# Altium PCB robot.PcbDoc (part 3 of 13)
Units mm, origin at the board's own origin, x right, y up, seen from the top; angles counter-clockwise.
Board outline 97 x 68 mm, 2 copper layers (Top Layer, Bottom Layer); 163 components, 156 nets, 23258 pads, 60 vias.
Unrouted connection lines stored in the file: 298.
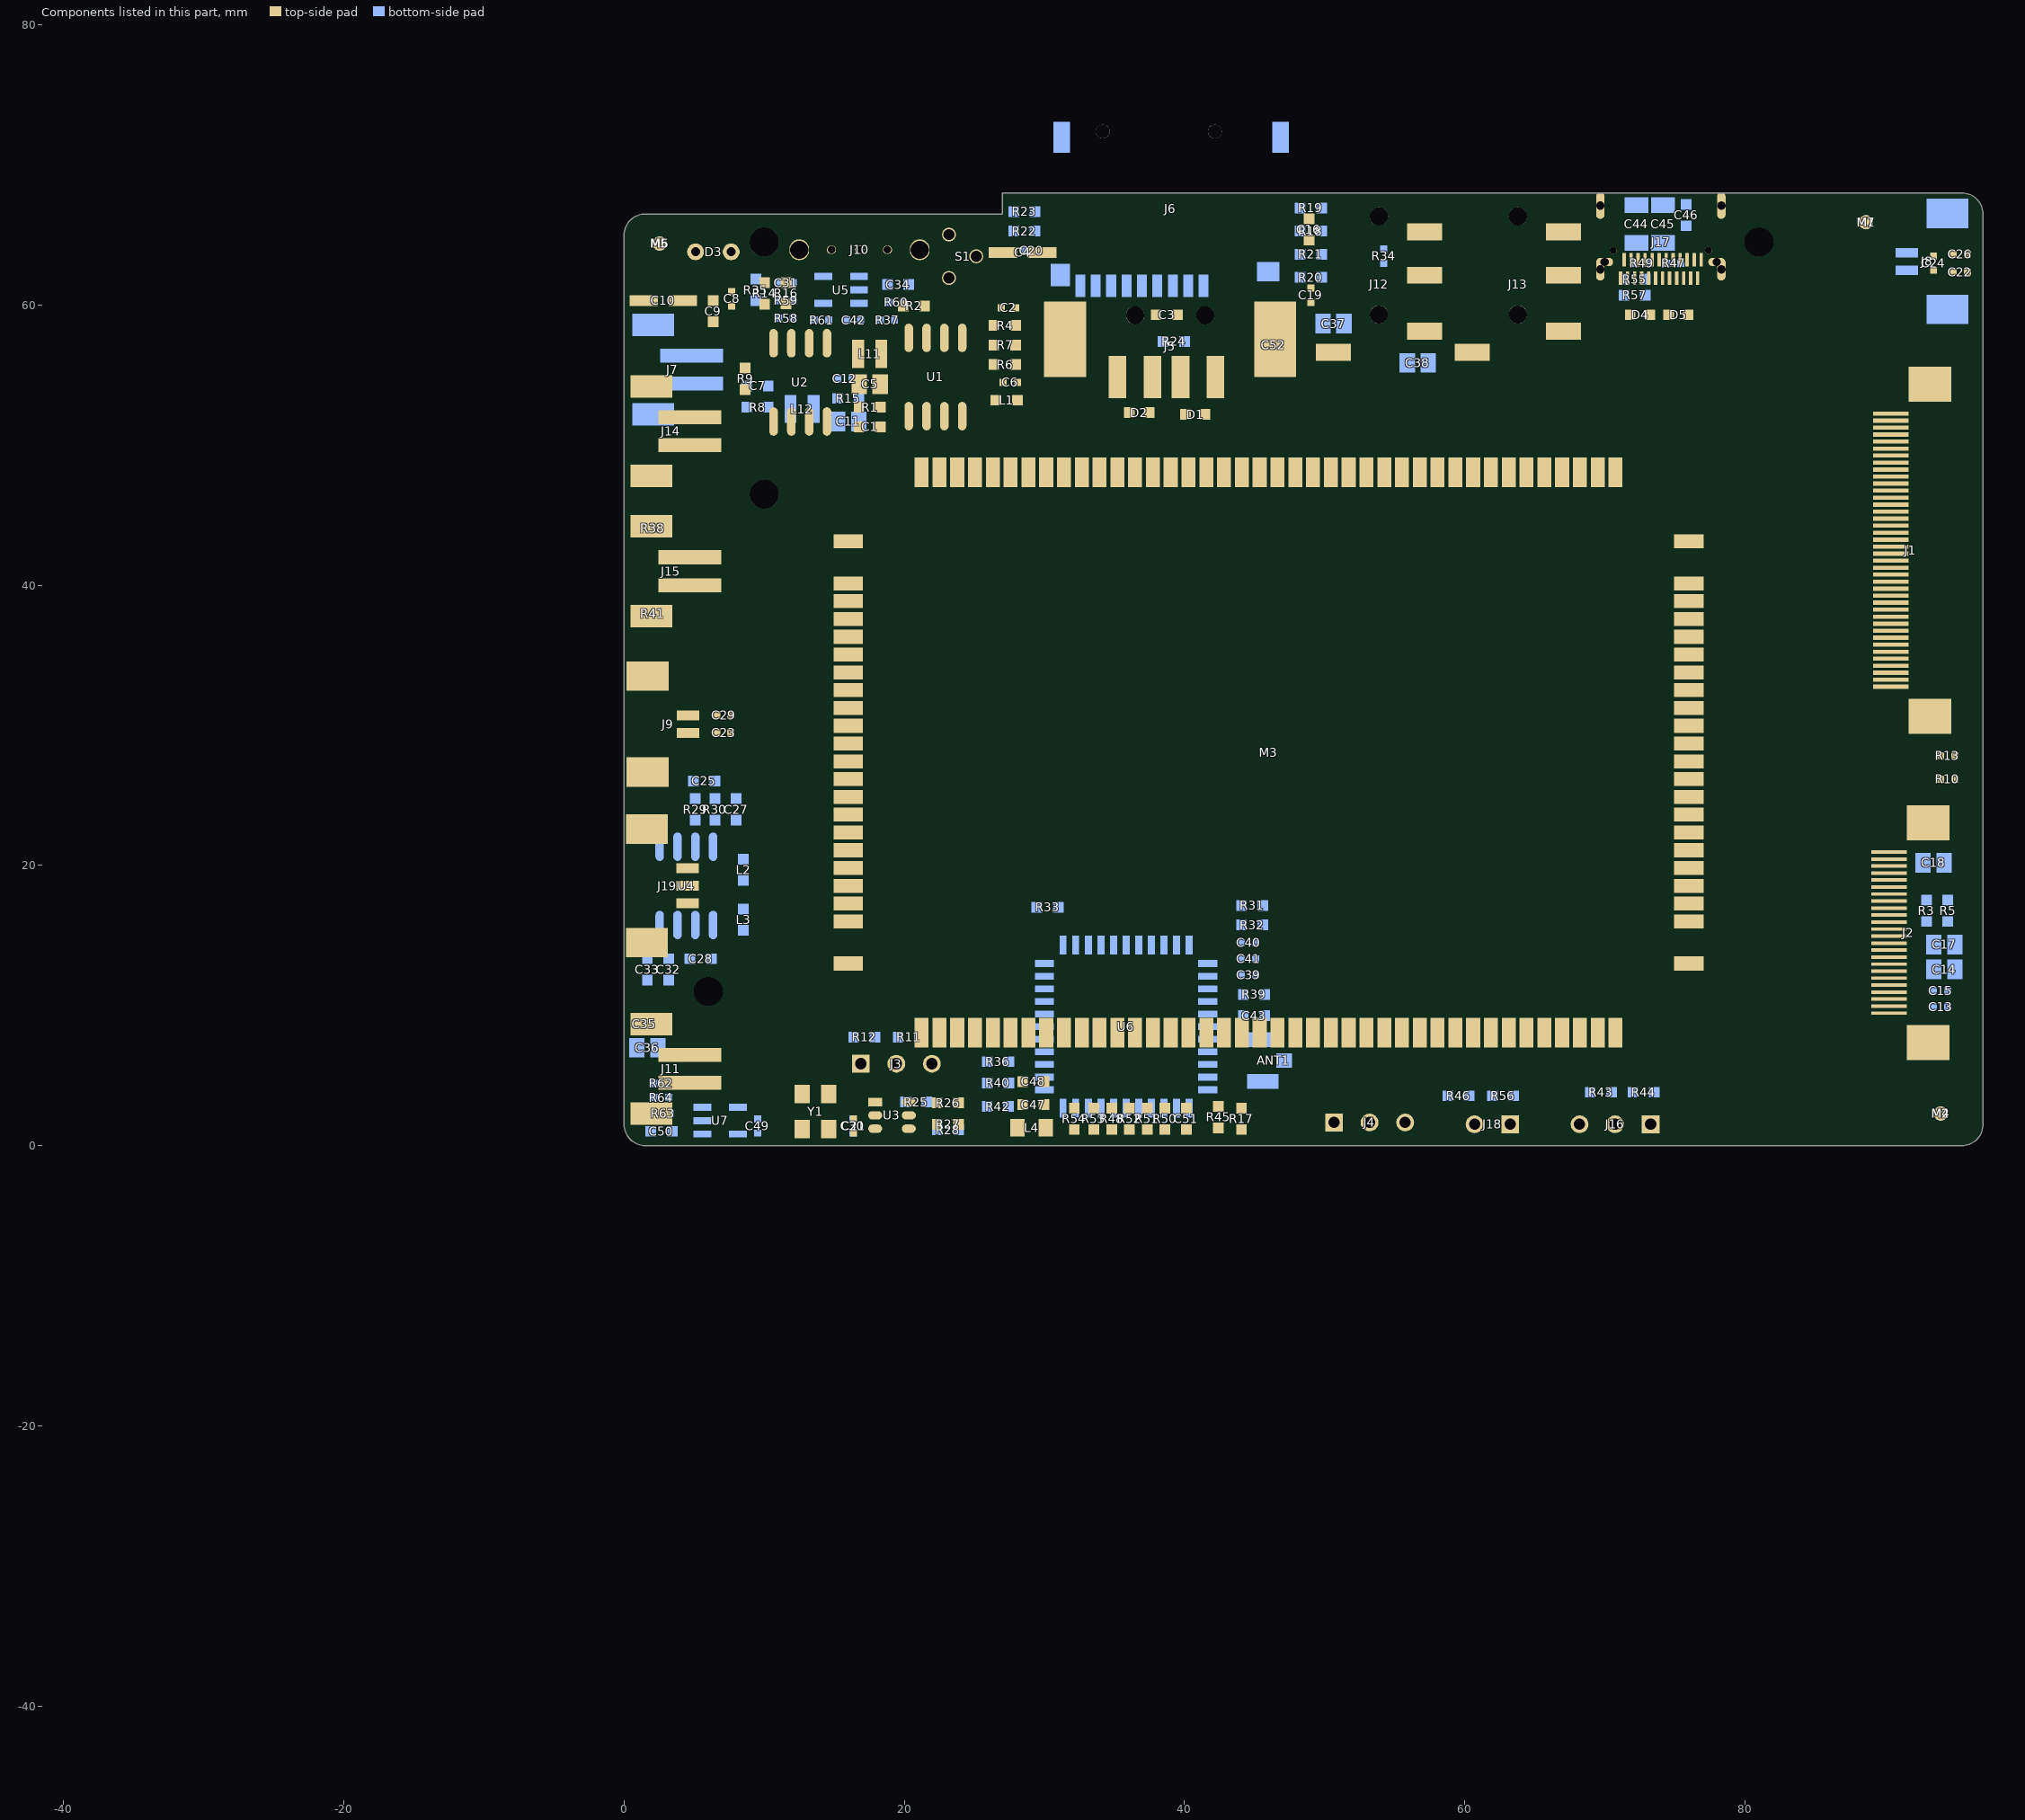
[diagram p3: the components of this part, seen from the top]

## Free pads (board coordinates) (continued)
  round 0 on Mech8: 1(-39.014,-44.133) 1(-39.014,-44.133) 1(-39.014,-44.133) 1(-39.014,-44.133) 1(-39.014,-44.133) 1(-39.014,-44.133) 1(-39.014,-44.131) 1(-39.014,-44.131) 1(-39.014,-44.131) 1(-39.013,-44.112) 1(-39.013,-44.112) 1(-39.013,-44.112) 1(-39.013,-44.112) 1(-39.013,-44.112) 1(-39.013,-44.112) 1(-39.013,-44.111) 1(-39.013,-44.111) 1(-39.013,-44.111) 1(-39.013,-44.11) 1(-39.013,-44.11) 1(-39.013,-44.11) 1(-39.013,-44.109) 1(-39.013,-44.109) 1(-39.013,-44.109) 1(-39.013,-44.109) 1(-39.013,-44.109) 1(-39.013,-44.109) 1(-39.013,-44.138) 1(-39.013,-44.138) 1(-39.013,-44.138) 1(-39.013,-44.138) 1(-39.013,-44.138) 1(-39.013,-44.138) 1(-39.013,-44.137) 1(-39.013,-44.137) 1(-39.013,-44.137) 1(-39.013,-44.137) 1(-39.013,-44.137) 1(-39.013,-44.137) 1(-39.013,-44.142) 1(-39.013,-44.142) 1(-39.013,-44.142) 1(-39.013,-44.142) 1(-39.013,-44.142) 1(-39.013,-44.142) 1(-39.013,-44.14) 1(-39.013,-44.14) 1(-39.013,-44.14) 1(-39.013,-44.14) 1(-39.013,-44.14) 1(-39.013,-44.14) 1(-39.012,-44.134) 1(-39.012,-44.134) 1(-39.012,-44.134) 1(-39.012,-44.134) 1(-39.012,-44.134) 1(-39.012,-44.134) 1(-39.012,-44.133) 1(-39.012,-44.133) 1(-39.012,-44.133) 1(-39.012,-44.133) 1(-39.012,-44.133) 1(-39.012,-44.133) 1(-39.012,-44.133) 1(-39.012,-44.133) 1(-39.012,-44.133) 1(-39.012,-44.133) 1(-39.012,-44.133) 1(-39.012,-44.133) 1(-39.012,-44.131) 1(-39.012,-44.131) 1(-39.012,-44.131) 1(-39.012,-44.131) 1(-39.012,-44.131) 1(-39.012,-44.131) 1(-39.003,-44.124) 1(-39.003,-44.124) 1(-39.003,-44.124) 1(-39.003,-44.124) 1(-39.003,-44.124) 1(-39.003,-44.124) 1(-39.003,-44.123) 1(-39.003,-44.123) 1(-39.003,-44.123) 1(-39.003,-44.123) 1(-39.003,-44.123) 1(-39.003,-44.123) 1(-39.003,-44.122) 1(-39.003,-44.122) 1(-39.003,-44.122) 1(-39.003,-44.122) 1(-39.003,-44.122) 1(-39.003,-44.122) 1(-39.003,-44.121) 1(-39.003,-44.121) 1(-39.003,-44.121) 1(-39.003,-44.121) 1(-39.003,-44.121) 1(-39.003,-44.121) 1(-39.003,-44.12) 1(-39.003,-44.12) 1(-39.003,-44.12) 1(-39.003,-44.12) 1(-39.003,-44.12) 1(-39.003,-44.12) 1(-39.003,-44.119) 1(-39.003,-44.119) 1(-39.003,-44.119) 1(-39.003,-44.119) 1(-39.003,-44.119) 1(-39.003,-44.119) 1(-39.003,-44.118) 1(-39.003,-44.118) 1(-39.003,-44.118) 1(-39.003,-44.118) 1(-39.003,-44.118) 1(-39.003,-44.118) 1(-39.003,-44.117) 1(-39.003,-44.117) 1(-39.003,-44.117) 1(-39.003,-44.117) 1(-39.003,-44.117) 1(-39.003,-44.117) 1(-39.003,-44.116) 1(-39.003,-44.116) 1(-39.003,-44.116) 1(-39.003,-44.116) 1(-39.003,-44.116) 1(-39.003,-44.116) 1(-39.003,-44.115) 1(-39.003,-44.115) 1(-39.003,-44.115) 1(-39.003,-44.115) 1(-39.003,-44.115) 1(-39.003,-44.115) 1(-39.003,-44.114) 1(-39.003,-44.114) 1(-39.003,-44.114) 1(-39.003,-44.114) 1(-39.003,-44.114) 1(-39.003,-44.114) 1(-39.003,-44.113) 1(-39.003,-44.113) 1(-39.003,-44.113) 1(-39.003,-44.113) 1(-39.003,-44.113) 1(-39.003,-44.113) 1(-39.002,-44.124) 1(-39.002,-44.124) 1(-39.002,-44.124) 1(-39.002,-44.124) 1(-39.002,-44.124) 1(-39.002,-44.124) 1(-39.002,-44.123) 1(-39.002,-44.123) 1(-39.002,-44.123) 1(-39.002,-44.123) 1(-39.002,-44.123) 1(-39.002,-44.123) 1(-39.002,-44.122) 1(-39.002,-44.122) 1(-39.002,-44.122) 1(-39.002,-44.122) 1(-39.002,-44.122) 1(-39.002,-44.122) 1(-39.002,-44.121) 1(-39.002,-44.121) 1(-39.002,-44.121) 1(-39.002,-44.121) 1(-39.002,-44.121) 1(-39.002,-44.121) 1(-39.002,-44.12) 1(-39.002,-44.12) 1(-39.002,-44.12) 1(-39.002,-44.12) 1(-39.002,-44.12) 1(-39.002,-44.12) 1(-39.002,-44.119) 1(-39.002,-44.119) 1(-39.002,-44.119) 1(-39.002,-44.119) 1(-39.002,-44.119) 1(-39.002,-44.119) 1(-39.002,-44.118) 1(-39.002,-44.118) 1(-39.002,-44.118) 1(-39.002,-44.118) 1(-39.002,-44.118) 1(-39.002,-44.118) 1(-39.002,-44.117) 1(-39.002,-44.117) 1(-39.002,-44.117) 1(-39.002,-44.117) 1(-39.002,-44.117) 1(-39.002,-44.117) 1(-39.002,-44.116) 1(-39.002,-44.116) 1(-39.002,-44.116) 1(-39.002,-44.116) 1(-39.002,-44.116) 1(-39.002,-44.116) 1(-39.002,-44.115) 1(-39.002,-44.115) 1(-39.002,-44.115) 1(-39.002,-44.115) 1(-39.002,-44.115) 1(-39.002,-44.115) 1(-39.002,-44.114) 1(-39.002,-44.114) 1(-39.002,-44.114) 1(-39.002,-44.114) 1(-39.002,-44.114) 1(-39.002,-44.114) 1(-39.002,-44.113) 1(-39.002,-44.113) 1(-39.002,-44.113) 1(-39.002,-44.113) 1(-39.002,-44.113) 1(-39.002,-44.113) 1(-39.001,-44.132) 1(-39.001,-44.132) 1(-39.001,-44.132) 1(-39.001,-44.13) 1(-39.001,-44.13) 1(-39.001,-44.13) 1(-39.001,-44.143) 1(-39.001,-44.143) 1(-39.001,-44.143) 1(-39.001,-44.143) 1(-39.001,-44.143) 1(-39.001,-44.143) 1(-39.001,-44.142) 1(-39.001,-44.142) 1(-39.001,-44.142) 1(-39.001,-44.142) 1(-39.001,-44.142) 1(-39.001,-44.142) 1(-39.001,-44.141) 1(-39.001,-44.141) 1(-39.001,-44.141) 1(-39.001,-44.141) 1(-39.001,-44.141) 1(-39.001,-44.141) 1(-39.001,-44.14) 1(-39.001,-44.14) 1(-39.001,-44.14) 1(-39.001,-44.14) 1(-39.001,-44.14) 1(-39.001,-44.14) 1(-39.001,-44.139) 1(-39.001,-44.139) 1(-39.001,-44.139) 1(-39.001,-44.139) 1(-39.001,-44.139) 1(-39.001,-44.139) 1(-39.001,-44.138) 1(-39.001,-44.138) 1(-39.001,-44.138) 1(-39.001,-44.138) 1(-39.001,-44.138) 1(-39.001,-44.138) 1(-39.001,-44.138) 1(-39.001,-44.138) 1(-39.001,-44.138) 1(-39.001,-44.138) 1(-39.001,-44.138) 1(-39.001,-44.138) 1(-39.001,-44.137) 1(-39.001,-44.137) 1(-39.001,-44.137) 1(-39.001,-44.137) 1(-39.001,-44.137) 1(-39.001,-44.137) 1(-39.001,-44.136) 1(-39.001,-44.136) 1(-39.001,-44.136) 1(-39.001,-44.136) 1(-39.001,-44.136) 1(-39.001,-44.136) 1(-39.001,-44.135) 1(-39.001,-44.135) 1(-39.001,-44.135) 1(-39.001,-44.135) 1(-39.001,-44.135) 1(-39.001,-44.135) 1(-39.001,-44.135) 1(-39.001,-44.135) 1(-39.001,-44.135) 1(-39.001,-44.135) 1(-39.001,-44.135) 1(-39.001,-44.135) 1(-39.001,-44.134) 1(-39.001,-44.134) 1(-39.001,-44.134) 1(-39.001,-44.134) 1(-39.001,-44.134) 1(-39.001,-44.134) 1(-39.001,-44.133) 1(-39.001,-44.133) 1(-39.001,-44.133) 1(-39.001,-44.133) 1(-39.001,-44.133) 1(-39.001,-44.133) 1(-39.001,-44.132) 1(-39.001,-44.132) 1(-39.001,-44.132) 1(-39.001,-44.132) 1(-39.001,-44.132) 1(-39.001,-44.132) 1(-39,-44.132) 1(-39,-44.132) 1(-39,-44.132) 1(-39,-44.132) 1(-39,-44.132) 1(-39,-44.132) 1(-39,-44.13) 1(-39,-44.13) 1(-39,-44.13) 1(-39,-44.13) 1(-39,-44.13) 1(-39,-44.13) 1(-39,-44.143) 1(-39,-44.143) 1(-39,-44.143) 1(-39,-44.142) 1(-39,-44.142) 1(-39,-44.142) 1(-39,-44.141) 1(-39,-44.141) 1(-39,-44.141) 1(-39,-44.14) 1(-39,-44.14) 1(-39,-44.14) 1(-39,-44.139) 1(-39,-44.139) 1(-39,-44.139) 1(-39,-44.138) 1(-39,-44.138) 1(-39,-44.138) 1(-39,-44.138) 1(-39,-44.138) 1(-39,-44.138) 1(-39,-44.137) 1(-39,-44.137) 1(-39,-44.137) 1(-39,-44.136) 1(-39,-44.136) 1(-39,-44.136) 1(-39,-44.135) 1(-39,-44.135) 1(-39,-44.135) 1(-39,-44.135) 1(-39,-44.135) 1(-39,-44.135) 1(-39,-44.134) 1(-39,-44.134) 1(-39,-44.134) 1(-39,-44.133) 1(-39,-44.133) 1(-39,-44.133) 1(-39,-44.132) 1(-39,-44.132) 1(-39,-44.132) 1(-38.999,-44.105) 1(-38.999,-44.105) 1(-38.999,-44.105) 1(-38.999,-44.105) 1(-38.999,-44.105) 1(-38.999,-44.105) 1(-38.999,-44.104) 1(-38.999,-44.104) 1(-38.999,-44.104) 1(-38.999,-44.103) 1(-38.999,-44.103) 1(-38.999,-44.103) 1(-38.999,-44.102) 1(-38.999,-44.102) 1(-38.999,-44.102) 1(-38.999,-44.102) 1(-38.999,-44.102) 1(-38.999,-44.102) 1(-38.999,-44.115) 1(-38.999,-44.115) 1(-38.999,-44.115) 1(-38.999,-44.115) 1(-38.999,-44.115) 1(-38.999,-44.115) 1(-38.999,-44.114) 1(-38.999,-44.114) 1(-38.999,-44.114) 1(-38.999,-44.114) 1(-38.999,-44.114) 1(-38.999,-44.114) 1(-38.999,-44.113) 1(-38.999,-44.113) 1(-38.999,-44.113) 1(-38.999,-44.113) 1(-38.999,-44.113) 1(-38.999,-44.113) 1(-38.999,-44.143) 1(-38.999,-44.143) 1(-38.999,-44.143) 1(-38.999,-44.142) 1(-38.999,-44.142) 1(-38.999,-44.142) 1(-38.999,-44.141) 1(-38.999,-44.141) 1(-38.999,-44.141) 1(-38.999,-44.14) 1(-38.999,-44.14) 1(-38.999,-44.14) 1(-38.999,-44.139) 1(-38.999,-44.139) 1(-38.999,-44.139) 1(-38.999,-44.138) 1(-38.999,-44.138) 1(-38.999,-44.138) 1(-38.999,-44.138) 1(-38.999,-44.138) 1(-38.999,-44.138) 1(-38.999,-44.137) 1(-38.999,-44.137) 1(-38.999,-44.137) 1(-38.999,-44.136) 1(-38.999,-44.136) 1(-38.999,-44.136) 1(-38.999,-44.135) 1(-38.999,-44.135) 1(-38.999,-44.135) 1(-38.999,-44.135) 1(-38.999,-44.135) 1(-38.999,-44.135) 1(-38.999,-44.134) 1(-38.999,-44.134) 1(-38.999,-44.134) 1(-38.999,-44.133) 1(-38.999,-44.133) 1(-38.999,-44.133) 1(-38.999,-44.132) 1(-38.999,-44.132) 1(-38.999,-44.132) 1(-38.998,-44.105) 1(-38.998,-44.105) 1(-38.998,-44.105) 1(-38.998,-44.105) 1(-38.998,-44.105) 1(-38.998,-44.105) 1(-38.998,-44.104) 1(-38.998,-44.104) 1(-38.998,-44.104) 1(-38.998,-44.103) 1(-38.998,-44.103) 1(-38.998,-44.103) 1(-38.998,-44.102) 1(-38.998,-44.102) 1(-38.998,-44.102) 1(-38.998,-44.102) 1(-38.998,-44.102) 1(-38.998,-44.102) 1(-38.998,-44.105) 1(-38.998,-44.105) 1(-38.998,-44.105) 1(-38.998,-44.105) 1(-38.998,-44.105) 1(-38.998,-44.105) 1(-38.998,-44.104) 1(-38.998,-44.104) 1(-38.998,-44.104) 1(-38.998,-44.103) 1(-38.998,-44.103) 1(-38.998,-44.103) 1(-38.998,-44.102) 1(-38.998,-44.102) 1(-38.998,-44.102) 1(-38.998,-44.102) 1(-38.998,-44.102) 1(-38.998,-44.102) 1(-38.998,-44.143) 1(-38.998,-44.143) 1(-38.998,-44.143) 1(-38.998,-44.143) 1(-38.998,-44.143) 1(-38.998,-44.143) 1(-38.998,-44.142) 1(-38.998,-44.142) 1(-38.998,-44.142) 1(-38.998,-44.142) 1(-38.998,-44.142) 1(-38.998,-44.142) 1(-38.998,-44.141) 1(-38.998,-44.141) 1(-38.998,-44.141) 1(-38.998,-44.141) 1(-38.998,-44.141) 1(-38.998,-44.141) 1(-38.998,-44.14) 1(-38.998,-44.14) 1(-38.998,-44.14) 1(-38.998,-44.14) 1(-38.998,-44.14) 1(-38.998,-44.14) 1(-38.998,-44.139) 1(-38.998,-44.139) 1(-38.998,-44.139) 1(-38.998,-44.139) 1(-38.998,-44.139) 1(-38.998,-44.139) 1(-38.998,-44.138) 1(-38.998,-44.138) 1(-38.998,-44.138) 1(-38.998,-44.138) 1(-38.998,-44.138) 1(-38.998,-44.138) 1(-38.998,-44.138) 1(-38.998,-44.138) 1(-38.998,-44.138) 1(-38.998,-44.138) 1(-38.998,-44.138) 1(-38.998,-44.138) 1(-38.998,-44.137) 1(-38.998,-44.137) 1(-38.998,-44.137) 1(-38.998,-44.137) 1(-38.998,-44.137) 1(-38.998,-44.137) 1(-38.998,-44.136) 1(-38.998,-44.136) 1(-38.998,-44.136) 1(-38.998,-44.136) 1(-38.998,-44.136) 1(-38.998,-44.136) 1(-38.998,-44.135) 1(-38.998,-44.135) 1(-38.998,-44.135) 1(-38.998,-44.135) 1(-38.998,-44.135) 1(-38.998,-44.135) 1(-38.998,-44.135) 1(-38.998,-44.135) 1(-38.998,-44.135) 1(-38.998,-44.135) 1(-38.998,-44.135) 1(-38.998,-44.135) 1(-38.998,-44.134) 1(-38.998,-44.134) 1(-38.998,-44.134) 1(-38.998,-44.134) 1(-38.998,-44.134) 1(-38.998,-44.134) 1(-38.998,-44.133) 1(-38.998,-44.133) 1(-38.998,-44.133) 1(-38.998,-44.133) 1(-38.998,-44.133) 1(-38.998,-44.133) 1(-38.998,-44.132) 1(-38.998,-44.132) 1(-38.998,-44.132) 1(-38.998,-44.132) 1(-38.998,-44.132) 1(-38.998,-44.132) 1(-38.998,-44.132) 1(-38.998,-44.132) 1(-38.998,-44.132) 1(-38.998,-44.13) 1(-38.998,-44.13) 1(-38.998,-44.13) 1(-38.998,-44.115) 1(-38.998,-44.115) 1(-38.998,-44.115) 1(-38.998,-44.115) 1(-38.998,-44.115) 1(-38.998,-44.115) 1(-38.998,-44.114) 1(-38.998,-44.114) 1(-38.998,-44.114) 1(-38.998,-44.114) 1(-38.998,-44.114) 1(-38.998,-44.114) 1(-38.998,-44.113) 1(-38.998,-44.113) 1(-38.998,-44.113) 1(-38.998,-44.113) 1(-38.998,-44.113) 1(-38.998,-44.113) 1(-38.998,-44.115) 1(-38.998,-44.115) 1(-38.998,-44.115) 1(-38.998,-44.115) 1(-38.998,-44.115) 1(-38.998,-44.115) 1(-38.998,-44.114) 1(-38.998,-44.114) 1(-38.998,-44.114) 1(-38.998,-44.114) 1(-38.998,-44.114) 1(-38.998,-44.114) 1(-38.998,-44.113) 1(-38.998,-44.113) 1(-38.998,-44.113) 1(-38.998,-44.112) 1(-38.998,-44.112) 1(-38.998,-44.112) 1(-38.998,-44.112) 1(-38.998,-44.112) 1(-38.998,-44.112) 1(-38.997,-44.105) 1(-38.997,-44.105) 1(-38.997,-44.105) 1(-38.997,-44.105) 1(-38.997,-44.105) 1(-38.997,-44.105) 1(-38.997,-44.104) 1(-38.997,-44.104) 1(-38.997,-44.104) 1(-38.997,-44.103) 1(-38.997,-44.103) 1(-38.997,-44.103) 1(-38.997,-44.102) 1(-38.997,-44.102) 1(-38.997,-44.102) 1(-38.997,-44.102) 1(-38.997,-44.102) 1(-38.997,-44.102) 1(-38.996,-44.115) 1(-38.996,-44.115) 1(-38.996,-44.115) 1(-38.996,-44.115) 1(-38.996,-44.115) 1(-38.996,-44.115) 1(-38.996,-44.114) 1(-38.996,-44.114) 1(-38.996,-44.114) 1(-38.996,-44.114) 1(-38.996,-44.114) 1(-38.996,-44.114) 1(-38.996,-44.113) 1(-38.996,-44.113) 1(-38.996,-44.113) 1(-38.996,-44.112) 1(-38.996,-44.112) 1(-38.996,-44.112) 1(-38.996,-44.112) 1(-38.996,-44.112) 1(-38.996,-44.112) 1(-38.996,-44.125) 1(-38.996,-44.125) 1(-38.996,-44.125) 1(-38.996,-44.125) 1(-38.996,-44.125) 1(-38.996,-44.125) 1(-38.996,-44.124) 1(-38.996,-44.124) 1(-38.996,-44.124) 1(-38.996,-44.123) 1(-38.996,-44.123) 1(-38.996,-44.123) 1(-38.996,-44.122) 1(-38.996,-44.122) 1(-38.996,-44.122) 1(-38.996,-44.122) 1(-38.996,-44.122) 1(-38.996,-44.122) 1(-38.996,-44.122) 1(-38.996,-44.122) 1(-38.996,-44.122) 1(-38.996,-44.122) 1(-38.996,-44.122) 1(-38.996,-44.122) 1(-38.996,-44.121) 1(-38.996,-44.121) 1(-38.996,-44.121) 1(-38.996,-44.12) 1(-38.996,-44.12) 1(-38.996,-44.12) 1(-38.996,-44.119) 1(-38.996,-44.119) 1(-38.996,-44.119) 1(-38.996,-44.119) 1(-38.996,-44.119) 1(-38.996,-44.119) 1(-38.995,-44.115) 1(-38.995,-44.115) 1(-38.995,-44.115) 1(-38.995,-44.115) 1(-38.995,-44.115) 1(-38.995,-44.115) 1(-38.995,-44.114) 1(-38.995,-44.114) 1(-38.995,-44.114) 1(-38.995,-44.114) 1(-38.995,-44.114) 1(-38.995,-44.114) 1(-38.995,-44.113) 1(-38.995,-44.113) 1(-38.995,-44.113) 1(-38.995,-44.113) 1(-38.995,-44.113) 1(-38.995,-44.113) 1(-38.995,-44.119) 1(-38.995,-44.119) 1(-38.995,-44.119) 1(-38.995,-44.119) 1(-38.995,-44.119) 1(-38.995,-44.119) 1(-38.995,-44.118) 1(-38.995,-44.118) 1(-38.995,-44.118) 1(-38.995,-44.117) 1(-38.995,-44.117) 1(-38.995,-44.117) 1(-38.995,-44.116) 1(-38.995,-44.116) 1(-38.995,-44.116) 1(-38.995,-44.116) 1(-38.995,-44.116) 1(-38.995,-44.116) 1(-38.995,-44.125) 1(-38.995,-44.125) 1(-38.995,-44.125) 1(-38.995,-44.125) 1(-38.995,-44.125) 1(-38.995,-44.125) 1(-38.995,-44.124) 1(-38.995,-44.124) 1(-38.995,-44.124) 1(-38.995,-44.123) 1(-38.995,-44.123) 1(-38.995,-44.123) 1(-38.995,-44.122) 1(-38.995,-44.122) 1(-38.995,-44.122) 1(-38.995,-44.122) 1(-38.995,-44.122) 1(-38.995,-44.122) 1(-38.995,-44.122) 1(-38.995,-44.122) 1(-38.995,-44.122) 1(-38.995,-44.122) 1(-38.995,-44.122) 1(-38.995,-44.122) 1(-38.995,-44.121) 1(-38.995,-44.121) 1(-38.995,-44.121) 1(-38.995,-44.12) 1(-38.995,-44.12) 1(-38.995,-44.12) 1(-38.995,-44.119) 1(-38.995,-44.119) 1(-38.995,-44.119) 1(-38.995,-44.119) 1(-38.995,-44.119) 1(-38.995,-44.119) 1(-38.995,-44.129) 1(-38.995,-44.129) 1(-38.995,-44.129) 1(-38.995,-44.129) 1(-38.995,-44.129) 1(-38.995,-44.129) 1(-38.995,-44.128) 1(-38.995,-44.128) 1(-38.995,-44.128) 1(-38.995,-44.127) 1(-38.995,-44.127) 1(-38.995,-44.127) 1(-38.995,-44.126) 1(-38.995,-44.126) 1(-38.995,-44.126) 1(-38.995,-44.126) 1(-38.995,-44.126) 1(-38.995,-44.126) 1(-38.994,-44.115) 1(-38.994,-44.115) 1(-38.994,-44.115) 1(-38.994,-44.115) 1(-38.994,-44.115) 1(-38.994,-44.115) 1(-38.994,-44.114) 1(-38.994,-44.114) 1(-38.994,-44.114) 1(-38.994,-44.114) 1(-38.994,-44.114) 1(-38.994,-44.114) 1(-38.994,-44.113) 1(-38.994,-44.113) 1(-38.994,-44.113) 1(-38.994,-44.113) 1(-38.994,-44.113) 1(-38.994,-44.113) 1(-38.994,-44.119) 1(-38.994,-44.119) 1(-38.994,-44.119) 1(-38.994,-44.119) 1(-38.994,-44.119) 1(-38.994,-44.119) 1(-38.994,-44.118) 1(-38.994,-44.118) 1(-38.994,-44.118) 1(-38.994,-44.117) 1(-38.994,-44.117) 1(-38.994,-44.117) 1(-38.994,-44.116) 1(-38.994,-44.116) 1(-38.994,-44.116) 1(-38.994,-44.116) 1(-38.994,-44.116) 1(-38.994,-44.116) 1(-38.994,-44.115) 1(-38.994,-44.115) 1(-38.994,-44.115) 1(-38.994,-44.115) 1(-38.994,-44.115) 1(-38.994,-44.115) 1(-38.994,-44.114) 1(-38.994,-44.114) 1(-38.994,-44.114) 1(-38.994,-44.114) 1(-38.994,-44.114) 1(-38.994,-44.114) 1(-38.994,-44.113) 1(-38.994,-44.113) 1(-38.994,-44.113) 1(-38.994,-44.113) 1(-38.994,-44.113) 1(-38.994,-44.113) 1(-38.993,-44.129) 1(-38.993,-44.129) 1(-38.993,-44.129) 1(-38.993,-44.129) 1(-38.993,-44.129) 1(-38.993,-44.129) 1(-38.993,-44.128) 1(-38.993,-44.128) 1(-38.993,-44.128) 1(-38.993,-44.127) 1(-38.993,-44.127) 1(-38.993,-44.127) 1(-38.993,-44.126) 1(-38.993,-44.126) 1(-38.993,-44.126) 1(-38.993,-44.126) 1(-38.993,-44.126) 1(-38.993,-44.126) 1(-38.993,-44.129) 1(-38.993,-44.129) 1(-38.993,-44.129) 1(-38.993,-44.129) 1(-38.993,-44.129) 1(-38.993,-44.129) 1(-38.993,-44.128) 1(-38.993,-44.128) 1(-38.993,-44.128) 1(-38.993,-44.127) 1(-38.993,-44.127) 1(-38.993,-44.127) 1(-38.993,-44.126) 1(-38.993,-44.126) 1(-38.993,-44.126) 1(-38.993,-44.126) 1(-38.993,-44.126) 1(-38.993,-44.126) 1(-38.993,-44.117) 1(-38.993,-44.117) 1(-38.993,-44.117) 1(-38.993,-44.117) 1(-38.993,-44.117) 1(-38.993,-44.117) 1(-38.993,-44.116) 1(-38.993,-44.116) 1(-38.993,-44.116) 1(-38.993,-44.116) 1(-38.993,-44.116) 1(-38.993,-44.116) 1(-38.992,-44.115) 1(-38.992,-44.115) 1(-38.992,-44.115) 1(-38.992,-44.115) 1(-38.992,-44.115) 1(-38.992,-44.115) 1(-38.992,-44.114) 1(-38.992,-44.114) 1(-38.992,-44.114) 1(-38.992,-44.114) 1(-38.992,-44.114) 1(-38.992,-44.114) 1(-38.992,-44.113) 1(-38.992,-44.113) 1(-38.992,-44.113) 1(-38.992,-44.113) 1(-38.992,-44.113) 1(-38.992,-44.113) 1(-38.992,-44.125) 1(-38.992,-44.125) 1(-38.992,-44.125) 1(-38.992,-44.125) 1(-38.992,-44.125) 1(-38.992,-44.125) 1(-38.992,-44.124) 1(-38.992,-44.124) 1(-38.992,-44.124) 1(-38.992,-44.123) 1(-38.992,-44.123) 1(-38.992,-44.123) 1(-38.992,-44.122) 1(-38.992,-44.122) 1(-38.992,-44.122) 1(-38.992,-44.122) 1(-38.992,-44.122) 1(-38.992,-44.122) 1(-38.992,-44.129) 1(-38.992,-44.129) 1(-38.992,-44.129) 1(-38.992,-44.129) 1(-38.992,-44.129) 1(-38.992,-44.129) 1(-38.992,-44.128) 1(-38.992,-44.128) 1(-38.992,-44.128) 1(-38.992,-44.127) 1(-38.992,-44.127) 1(-38.992,-44.127) 1(-38.992,-44.126) 1(-38.992,-44.126) 1(-38.992,-44.126) 1(-38.992,-44.126) 1(-38.992,-44.126) 1(-38.992,-44.126) 1(-38.992,-44.117) 1(-38.992,-44.117) 1(-38.992,-44.117) 1(-38.992,-44.116) 1(-38.992,-44.116) 1(-38.992,-44.116) 1(-38.991,-44.146) 1(-38.991,-44.146) 1(-38.991,-44.146) 1(-38.991,-44.146) 1(-38.991,-44.146) 1(-38.991,-44.146) 1(-38.991,-44.145) 1(-38.991,-44.145) 1(-38.991,-44.145) 1(-38.991,-44.144) 1(-38.991,-44.144) 1(-38.991,-44.144) 1(-38.991,-44.143) 1(-38.991,-44.143) 1(-38.991,-44.143) 1(-38.991,-44.143) 1(-38.991,-44.143) 1(-38.991,-44.143) 1(-38.991,-44.117) 1(-38.991,-44.117) 1(-38.991,-44.117) 1(-38.991,-44.116) 1(-38.991,-44.116) 1(-38.991,-44.116) 1(-38.991,-44.125) 1(-38.991,-44.125) 1(-38.991,-44.125) 1(-38.991,-44.125) 1(-38.991,-44.125) 1(-38.991,-44.125) 1(-38.991,-44.124) 1(-38.991,-44.124) 1(-38.991,-44.124) 1(-38.991,-44.123) 1(-38.991,-44.123) 1(-38.991,-44.123) 1(-38.991,-44.122) 1(-38.991,-44.122) 1(-38.991,-44.122) 1(-38.991,-44.122) 1(-38.991,-44.122) 1(-38.991,-44.122) 1(-38.99,-44.129) 1(-38.99,-44.129) 1(-38.99,-44.129) 1(-38.99,-44.129) 1(-38.99,-44.129) 1(-38.99,-44.129) 1(-38.99,-44.128) 1(-38.99,-44.128) 1(-38.99,-44.128) 1(-38.99,-44.127) 1(-38.99,-44.127) 1(-38.99,-44.127) 1(-38.99,-44.126) 1(-38.99,-44.126) 1(-38.99,-44.126) 1(-38.99,-44.126) 1(-38.99,-44.126) 1(-38.99,-44.126) 1(-38.99,-44.117) 1(-38.99,-44.117) 1(-38.99,-44.117) 1(-38.99,-44.117) 1(-38.99,-44.117) 1(-38.99,-44.117) 1(-38.99,-44.116) 1(-38.99,-44.116) 1(-38.99,-44.116) 1(-38.99,-44.116) 1(-38.99,-44.116) 1(-38.99,-44.116) 1(-38.99,-44.146) 1(-38.99,-44.146) 1(-38.99,-44.146) 1(-38.99,-44.146) 1(-38.99,-44.146) 1(-38.99,-44.146) 1(-38.99,-44.145) 1(-38.99,-44.145) 1(-38.99,-44.145) 1(-38.99,-44.144) 1(-38.99,-44.144) 1(-38.99,-44.144) 1(-38.99,-44.143) 1(-38.99,-44.143) 1(-38.99,-44.143) 1(-38.99,-44.143) 1(-38.99,-44.143) 1(-38.99,-44.143) 1(-38.99,-44.117) 1(-38.99,-44.117) 1(-38.99,-44.117) 1(-38.99,-44.117) 1(-38.99,-44.117) 1(-38.99,-44.117) 1(-38.99,-44.116) 1(-38.99,-44.116) 1(-38.99,-44.116) 1(-38.99,-44.116) 1(-38.99,-44.116) 1(-38.99,-44.116) 1(-38.989,-44.129) 1(-38.989,-44.129) 1(-38.989,-44.129) 1(-38.989,-44.129) 1(-38.989,-44.129) 1(-38.989,-44.129) 1(-38.989,-44.128) 1(-38.989,-44.128) 1(-38.989,-44.128) 1(-38.989,-44.127) 1(-38.989,-44.127) 1(-38.989,-44.127) 1(-38.989,-44.126) 1(-38.989,-44.126) 1(-38.989,-44.126) 1(-38.989,-44.126) 1(-38.989,-44.126) 1(-38.989,-44.126) 1(-38.989,-44.129) 1(-38.989,-44.129) 1(-38.989,-44.129) 1(-38.989,-44.129) 1(-38.989,-44.129) 1(-38.989,-44.129) 1(-38.989,-44.128) 1(-38.989,-44.128) 1(-38.989,-44.128) 1(-38.989,-44.127) 1(-38.989,-44.127) 1(-38.989,-44.127) 1(-38.989,-44.126) 1(-38.989,-44.126) 1(-38.989,-44.126) 1(-38.989,-44.126) 1(-38.989,-44.126) 1(-38.989,-44.126) 1(-38.989,-44.117) 1(-38.989,-44.117) 1(-38.989,-44.117) 1(-38.989,-44.116) 1(-38.989,-44.116) 1(-38.989,-44.116) 1(-38.988,-44.117) 1(-38.988,-44.117) 1(-38.988,-44.117) 1(-38.988,-44.116) 1(-38.988,-44.116) 1(-38.988,-44.116) 1(-38.988,-44.098) 1(-38.988,-44.098) 1(-38.988,-44.098) 1(-38.988,-44.098) 1(-38.988,-44.098) 1(-38.988,-44.098) 1(-38.988,-44.093) 1(-38.988,-44.093) 1(-38.988,-44.093) 1(-38.988,-44.093) 1(-38.988,-44.093) 1(-38.988,-44.093) 1(-38.988,-44.129) 1(-38.988,-44.129) 1(-38.988,-44.129) 1(-38.988,-44.129) 1(-38.988,-44.129) 1(-38.988,-44.129) 1(-38.988,-44.128) 1(-38.988,-44.128) 1(-38.988,-44.128) 1(-38.988,-44.127) 1(-38.988,-44.127) 1(-38.988,-44.127) 1(-38.988,-44.126) 1(-38.988,-44.126) 1(-38.988,-44.126) 1(-38.988,-44.126) 1(-38.988,-44.126) 1(-38.988,-44.126) 1(-38.987,-44.104) 1(-38.987,-44.104) 1(-38.987,-44.104) 1(-38.987,-44.104) 1(-38.987,-44.104) 1(-38.987,-44.104) 1(-38.987,-44.102) 1(-38.987,-44.102) 1(-38.987,-44.102) 1(-38.987,-44.102) 1(-38.987,-44.102) 1(-38.987,-44.102) 1(-38.987,-44.129) 1(-38.987,-44.129) 1(-38.987,-44.129) 1(-38.987,-44.129) 1(-38.987,-44.129) 1(-38.987,-44.129) 1(-38.987,-44.128) 1(-38.987,-44.128) 1(-38.987,-44.128) 1(-38.987,-44.127) 1(-38.987,-44.127) 1(-38.987,-44.127) 1(-38.987,-44.126) 1(-38.987,-44.126) 1(-38.987,-44.126) 1(-38.987,-44.126) 1(-38.987,-44.126) 1(-38.987,-44.126) 1(-38.987,-44.101) 1(-38.987,-44.101) 1(-38.987,-44.101) 1(-38.987,-44.101) 1(-38.987,-44.101) 1(-38.987,-44.101) 1(-38.987,-44.101) 1(-38.987,-44.101) 1(-38.987,-44.101) 1(-38.987,-44.101) 1(-38.987,-44.101) 1(-38.987,-44.101) 1(-38.987,-44.117) 1(-38.987,-44.117) 1(-38.987,-44.117) 1(-38.987,-44.117) 1(-38.987,-44.117) 1(-38.987,-44.117) 1(-38.987,-44.116) 1(-38.987,-44.116) 1(-38.987,-44.116) 1(-38.987,-44.116) 1(-38.987,-44.116) 1(-38.987,-44.116) 1(-38.987,-44.102) 1(-38.987,-44.102) 1(-38.987,-44.102) 1(-38.987,-44.125) 1(-38.987,-44.125) 1(-38.987,-44.125) 1(-38.987,-44.125) 1(-38.987,-44.125) 1(-38.987,-44.125) 1(-38.987,-44.124) 1(-38.987,-44.124) 1(-38.987,-44.124) 1(-38.987,-44.123) 1(-38.987,-44.123) 1(-38.987,-44.123) 1(-38.987,-44.122) 1(-38.987,-44.122) 1(-38.987,-44.122) 1(-38.987,-44.122) 1(-38.987,-44.122) 1(-38.987,-44.122) 1(-38.987,-44.102) 1(-38.987,-44.102) 1(-38.987,-44.102) 1(-38.987,-44.102) 1(-38.987,-44.102) 1(-38.987,-44.102) 1(-38.987,-44.1) 1(-38.987,-44.1) 1(-38.987,-44.1) 1(-38.987,-44.1) 1(-38.987,-44.1) 1(-38.987,-44.1) 1(-38.987,-44.1) 1(-38.987,-44.1) 1(-38.987,-44.1) 1(-38.986,-44.104) 1(-38.986,-44.104) 1(-38.986,-44.104) 1(-38.986,-44.102) 1(-38.986,-44.102) 1(-38.986,-44.102) 1(-38.986,-44.129) 1(-38.986,-44.129) 1(-38.986,-44.129) 1(-38.986,-44.129) 1(-38.986,-44.129) 1(-38.986,-44.129) 1(-38.986,-44.128) 1(-38.986,-44.128) 1(-38.986,-44.128) 1(-38.986,-44.127) 1(-38.986,-44.127) 1(-38.986,-44.127) 1(-38.986,-44.126) 1(-38.986,-44.126) 1(-38.986,-44.126) 1(-38.986,-44.126) 1(-38.986,-44.126) 1(-38.986,-44.126) 1(-38.986,-44.104) 1(-38.986,-44.104) 1(-38.986,-44.104) 1(-38.986,-44.102) 1(-38.986,-44.102) 1(-38.986,-44.102) 1(-38.986,-44.098) 1(-38.986,-44.098) 1(-38.986,-44.098) 1(-38.986,-44.125) 1(-38.986,-44.125) 1(-38.986,-44.125) 1(-38.986,-44.125) 1(-38.986,-44.125) 1(-38.986,-44.125) 1(-38.986,-44.124) 1(-38.986,-44.124) 1(-38.986,-44.124) 1(-38.986,-44.123) 1(-38.986,-44.123) 1(-38.986,-44.123) 1(-38.986,-44.122) 1(-38.986,-44.122) 1(-38.986,-44.122) 1(-38.986,-44.122) 1(-38.986,-44.122) 1(-38.986,-44.122) 1(-38.985,-44.108) 1(-38.985,-44.108) 1(-38.985,-44.108) 1(-38.985,-44.108) 1(-38.985,-44.108) 1(-38.985,-44.108) 1(-38.985,-44.107) 1(-38.985,-44.107) 1(-38.985,-44.107) 1(-38.985,-44.106) 1(-38.985,-44.106) 1(-38.985,-44.106) 1(-38.985,-44.105) 1(-38.985,-44.105) 1(-38.985,-44.105) 1(-38.985,-44.105) 1(-38.985,-44.105) 1(-38.985,-44.105) 1(-38.985,-44.104) 1(-38.985,-44.104) 1(-38.985,-44.104) 1(-38.985,-44.104) 1(-38.985,-44.104) 1(-38.985,-44.104) 1(-38.985,-44.102) 1(-38.985,-44.102) 1(-38.985,-44.102) 1(-38.985,-44.102) 1(-38.985,-44.102) 1(-38.985,-44.102) 1(-38.984,-44.102) 1(-38.984,-44.102) 1(-38.984,-44.102) 1(-38.984,-44.102) 1(-38.984,-44.102) 1(-38.984,-44.102) 1(-38.984,-44.1) 1(-38.984,-44.1) 1(-38.984,-44.1) 1(-38.984,-44.1) 1(-38.984,-44.1) 1(-38.984,-44.1) 1(-38.984,-44.104) 1(-38.984,-44.104) 1(-38.984,-44.104) 1(-38.984,-44.104) 1(-38.984,-44.104) 1(-38.984,-44.104) 1(-38.984,-44.102) 1(-38.984,-44.102) 1(-38.984,-44.102) 1(-38.984,-44.102) 1(-38.984,-44.102) 1(-38.984,-44.102) 1(-38.984,-44.102) 1(-38.984,-44.102) 1(-38.984,-44.102) 1(-38.984,-44.102) 1(-38.984,-44.102) 1(-38.984,-44.102) 1(-38.984,-44.101) 1(-38.984,-44.101) 1(-38.984,-44.101) 1(-38.984,-44.101) 1(-38.984,-44.101) 1(-38.984,-44.101) 1(-38.984,-44.134) 1(-38.984,-44.134) 1(-38.984,-44.134) 1(-38.984,-44.134) 1(-38.984,-44.134) 1(-38.984,-44.134) 1(-38.984,-44.133) 1(-38.984,-44.133) 1(-38.984,-44.133) 1(-38.984,-44.132) 1(-38.984,-44.132) 1(-38.984,-44.132) 1(-38.984,-44.131) 1(-38.984,-44.131) 1(-38.984,-44.131) 1(-38.984,-44.131) 1(-38.984,-44.131) 1(-38.984,-44.131) 1(-38.983,-44.108) 1(-38.983,-44.108) 1(-38.983,-44.108) 1(-38.983,-44.108) 1(-38.983,-44.108) 1(-38.983,-44.108) 1(-38.983,-44.107) 1(-38.983,-44.107) 1(-38.983,-44.107) 1(-38.983,-44.106) 1(-38.983,-44.106) 1(-38.983,-44.106) 1(-38.983,-44.105) 1(-38.983,-44.105) 1(-38.983,-44.105) 1(-38.983,-44.105) 1(-38.983,-44.105) 1(-38.983,-44.105) 1(-38.983,-44.141) 1(-38.983,-44.141) 1(-38.983,-44.141) 1(-38.983,-44.141) 1(-38.983,-44.141) 1(-38.983,-44.141) 1(-38.983,-44.14) 1(-38.983,-44.14) 1(-38.983,-44.14) 1(-38.983,-44.14) 1(-38.983,-44.14) 1(-38.983,-44.14) 1(-38.983,-44.139) 1(-38.983,-44.139) 1(-38.983,-44.139) 1(-38.983,-44.139) 1(-38.983,-44.139) 1(-38.983,-44.139) 1(-38.983,-44.138) 1(-38.983,-44.138) 1(-38.983,-44.138) 1(-38.983,-44.138) 1(-38.983,-44.138) 1(-38.983,-44.138) 1(-38.983,-44.107) 1(-38.983,-44.107) 1(-38.983,-44.107) 1(-38.983,-44.107) 1(-38.983,-44.107) 1(-38.983,-44.107) 1(-38.983,-44.106) 1(-38.983,-44.106) 1(-38.983,-44.106) 1(-38.983,-44.105) 1(-38.983,-44.105) 1(-38.983,-44.105) 1(-38.983,-44.104) 1(-38.983,-44.104) 1(-38.983,-44.104) 1(-38.983,-44.104) 1(-38.983,-44.104) 1(-38.983,-44.104) 1(-38.983,-44.11) 1(-38.983,-44.11) 1(-38.983,-44.11) 1(-38.983,-44.11) 1(-38.983,-44.11) 1(-38.983,-44.11) 1(-38.983,-44.109) 1(-38.983,-44.109) 1(-38.983,-44.109) 1(-38.983,-44.108) 1(-38.983,-44.108) 1(-38.983,-44.108) 1(-38.983,-44.107) 1(-38.983,-44.107) 1(-38.983,-44.107) 1(-38.983,-44.107) 1(-38.983,-44.107) 1(-38.983,-44.107) 1(-38.983,-44.104) 1(-38.983,-44.104) 1(-38.983,-44.104) 1(-38.983,-44.102) 1(-38.983,-44.102) 1(-38.983,-44.102) 1(-38.982,-44.104) 1(-38.982,-44.104) 1(-38.982,-44.104) 1(-38.982,-44.102) 1(-38.982,-44.102) 1(-38.982,-44.102) 1(-38.982,-44.141) 1(-38.982,-44.141) 1(-38.982,-44.141) 1(-38.982,-44.14) 1(-38.982,-44.14) 1(-38.982,-44.14) 1(-38.982,-44.139) 1(-38.982,-44.139) 1(-38.982,-44.139) 1(-38.982,-44.138) 1(-38.982,-44.138) 1(-38.982,-44.138) 1(-38.982,-44.098) 1(-38.982,-44.098) 1(-38.982,-44.098) 1(-38.982,-44.134) 1(-38.982,-44.134) 1(-38.982,-44.134) 1(-38.982,-44.134) 1(-38.982,-44.134) 1(-38.982,-44.134) 1(-38.982,-44.133) 1(-38.982,-44.133) 1(-38.982,-44.133) 1(-38.982,-44.132) 1(-38.982,-44.132) 1(-38.982,-44.132) 1(-38.982,-44.131) 1(-38.982,-44.131) 1(-38.982,-44.131) 1(-38.982,-44.131) 1(-38.982,-44.131) 1(-38.982,-44.131) 1(-38.982,-44.107) 1(-38.982,-44.107) 1(-38.982,-44.107) 1(-38.982,-44.107) 1(-38.982,-44.107) 1(-38.982,-44.107) 1(-38.982,-44.106) 1(-38.982,-44.106) 1(-38.982,-44.106) 1(-38.982,-44.105) 1(-38.982,-44.105) 1(-38.982,-44.105) 1(-38.982,-44.104) 1(-38.982,-44.104) 1(-38.982,-44.104) 1(-38.982,-44.104) 1(-38.982,-44.104) 1(-38.982,-44.104) 1(-38.982,-44.11) 1(-38.982,-44.11) 1(-38.982,-44.11) 1(-38.982,-44.11) 1(-38.982,-44.11) 1(-38.982,-44.11) 1(-38.982,-44.109) 1(-38.982,-44.109) 1(-38.982,-44.109) 1(-38.982,-44.108) 1(-38.982,-44.108) 1(-38.982,-44.108) 1(-38.982,-44.107) 1(-38.982,-44.107) 1(-38.982,-44.107) 1(-38.982,-44.107) 1(-38.982,-44.107) 1(-38.982,-44.107) 1(-38.982,-44.107) 1(-38.982,-44.107) 1(-38.982,-44.107) 1(-38.982,-44.107) 1(-38.982,-44.107) 1(-38.982,-44.107) 1(-38.982,-44.105) 1(-38.982,-44.105) 1(-38.982,-44.105) 1(-38.982,-44.105) 1(-38.982,-44.105) 1(-38.982,-44.105) 1(-38.982,-44.141) 1(-38.982,-44.141) 1(-38.982,-44.141) 1(-38.982,-44.14) 1(-38.982,-44.14) 1(-38.982,-44.14) 1(-38.982,-44.139) 1(-38.982,-44.139) 1(-38.982,-44.139) 1(-38.982,-44.138) 1(-38.982,-44.138) 1(-38.982,-44.138) 1(-38.981,-44.102) 1(-38.981,-44.102) 1(-38.981,-44.102) 1(-38.981,-44.102) 1(-38.981,-44.102) 1(-38.981,-44.102) 1(-38.981,-44.102) 1(-38.981,-44.102) 1(-38.981,-44.102) 1(-38.981,-44.101) 1(-38.981,-44.101) 1(-38.981,-44.101) 1(-38.981,-44.101) 1(-38.981,-44.101) 1(-38.981,-44.101) 1(-38.981,-44.101) 1(-38.981,-44.101) 1(-38.981,-44.101) 1(-38.981,-44.104) 1(-38.981,-44.104) 1(-38.981,-44.104) 1(-38.981,-44.104) 1(-38.981,-44.104) 1(-38.981,-44.104) 1(-38.981,-44.102) 1(-38.981,-44.102) 1(-38.981,-44.102) 1(-38.981,-44.102) 1(-38.981,-44.102) 1(-38.981,-44.102) 1(-38.981,-44.101) 1(-38.981,-44.101) 1(-38.981,-44.101) 1(-38.981,-44.101) 1(-38.981,-44.101) 1(-38.981,-44.101) 1(-38.981,-44.101) 1(-38.981,-44.101) 1(-38.981,-44.101) 1(-38.981,-44.101) 1(-38.981,-44.101) 1(-38.981,-44.101) 1(-38.981,-44.104) 1(-38.981,-44.104) 1(-38.981,-44.104) 1(-38.981,-44.104) 1(-38.981,-44.104) 1(-38.981,-44.104) 1(-38.981,-44.103) 1(-38.981,-44.103) 1(-38.981,-44.103) 1(-38.981,-44.102) 1(-38.981,-44.102) 1(-38.981,-44.102) 1(-38.981,-44.101) 1(-38.981,-44.101) 1(-38.981,-44.101) 1(-38.981,-44.101) 1(-38.981,-44.101) 1(-38.981,-44.101) 1(-38.981,-44.141) 1(-38.981,-44.141) 1(-38.981,-44.141) 1(-38.981,-44.141) 1(-38.981,-44.141) 1(-38.981,-44.141) 1(-38.981,-44.14) 1(-38.981,-44.14) 1(-38.981,-44.14) 1(-38.981,-44.14) 1(-38.981,-44.14) 1(-38.981,-44.14) 1(-38.981,-44.139) 1(-38.981,-44.139) 1(-38.981,-44.139) 1(-38.981,-44.139) 1(-38.981,-44.139) 1(-38.981,-44.139) 1(-38.981,-44.138) 1(-38.981,-44.138) 1(-38.981,-44.138) 1(-38.981,-44.138) 1(-38.981,-44.138) 1(-38.981,-44.138) 1(-38.98,-44.098) 1(-38.98,-44.098) 1(-38.98,-44.098) 1(-38.98,-44.098) 1(-38.98,-44.098) 1(-38.98,-44.098) 1(-38.98,-44.093) 1(-38.98,-44.093) 1(-38.98,-44.093) 1(-38.98,-44.093) 1(-38.98,-44.093) 1(-38.98,-44.093) 1(-38.98,-44.104) 1(-38.98,-44.104) 1(-38.98,-44.104) 1(-38.98,-44.104) 1(-38.98,-44.104) 1(-38.98,-44.104) 1(-38.98,-44.103) 1(-38.98,-44.103) 1(-38.98,-44.103) 1(-38.98,-44.102) 1(-38.98,-44.102) 1(-38.98,-44.102) 1(-38.98,-44.101) 1(-38.98,-44.101) 1(-38.98,-44.101) 1(-38.98,-44.101) 1(-38.98,-44.101) 1(-38.98,-44.101) 1(-38.979,-44.107) 1(-38.979,-44.107) 1(-38.979,-44.107) 1(-38.979,-44.107) 1(-38.979,-44.107) 1(-38.979,-44.107) 1(-38.979,-44.106) 1(-38.979,-44.106) 1(-38.979,-44.106) 1(-38.979,-44.106) 1(-38.979,-44.106) 1(-38.979,-44.106) 1(-38.979,-44.106) 1(-38.979,-44.106) 1(-38.979,-44.106) 1(-38.979,-44.106) 1(-38.979,-44.106) 1(-38.979,-44.106) 1(-38.979,-44.105) 1(-38.979,-44.105) 1(-38.979,-44.105) 1(-38.979,-44.105) 1(-38.979,-44.105) 1(-38.979,-44.105) 1(-38.978,-44.11) 1(-38.978,-44.11) 1(-38.978,-44.11) 1(-38.978,-44.109) 1(-38.978,-44.109) 1(-38.978,-44.109) 1(-38.978,-44.109) 1(-38.978,-44.109) 1(-38.978,-44.109) 1(-38.978,-44.107) 1(-38.978,-44.107) 1(-38.978,-44.107) 1(-38.975,-44.11) 1(-38.975,-44.11) 1(-38.975,-44.11) 1(-38.975,-44.109) 1(-38.975,-44.109) 1(-38.975,-44.109) 1(-38.975,-44.109) 1(-38.975,-44.109) 1(-38.975,-44.109) 1(-38.975,-44.107) 1(-38.975,-44.107) 1(-38.975,-44.107)